# KiCad board fuyu.kicad_pcb
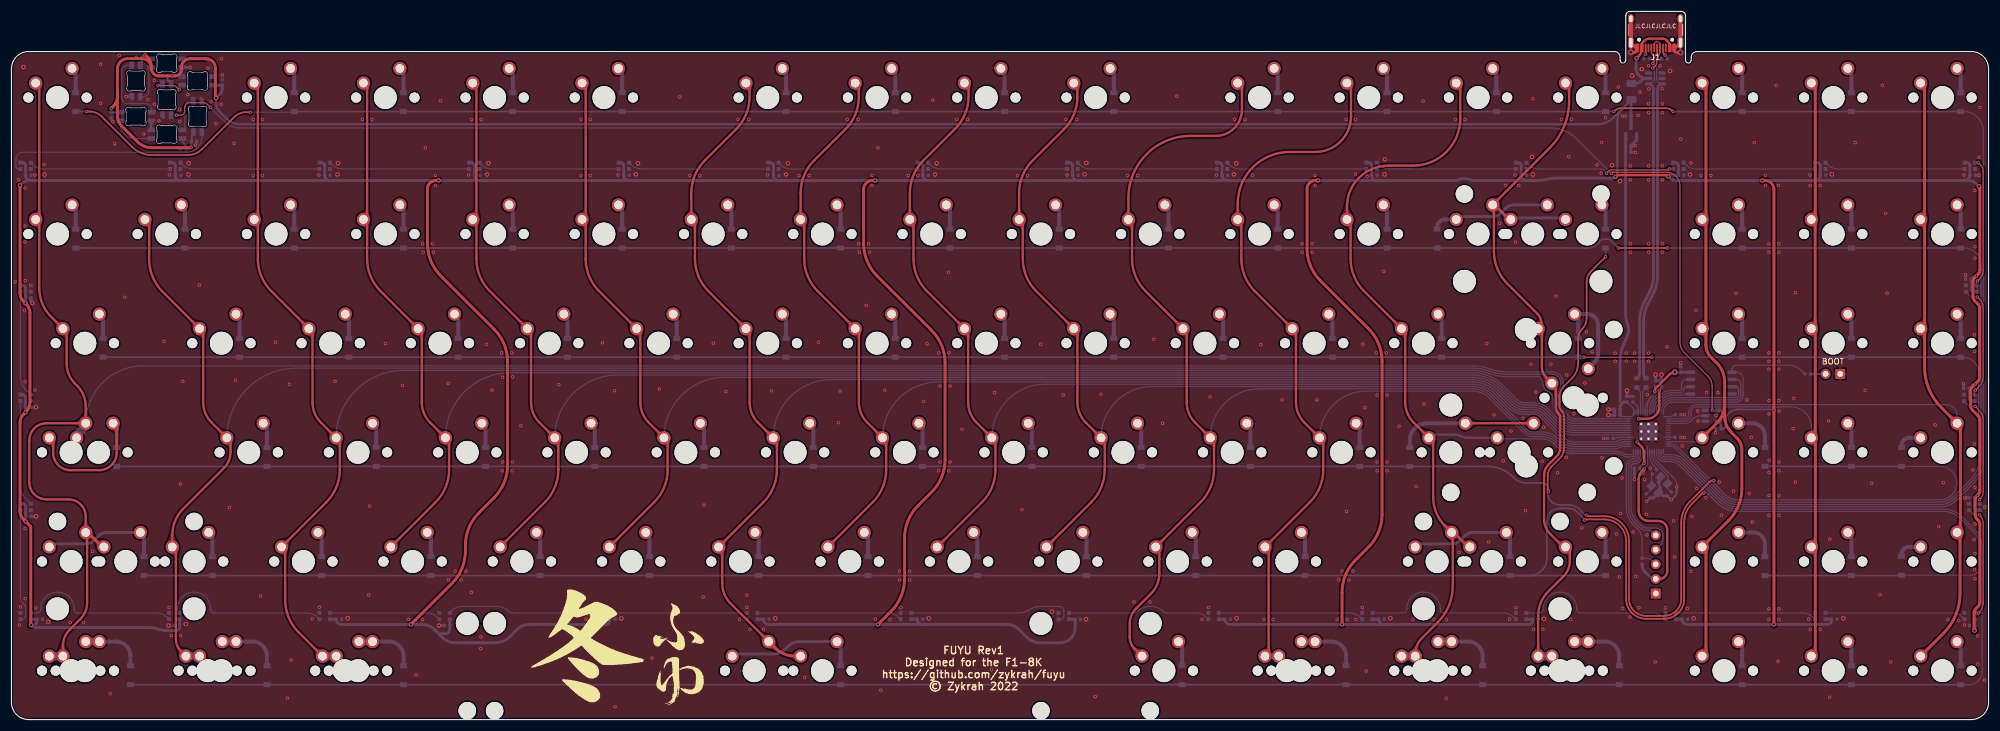
[diagram p0: board, top side]
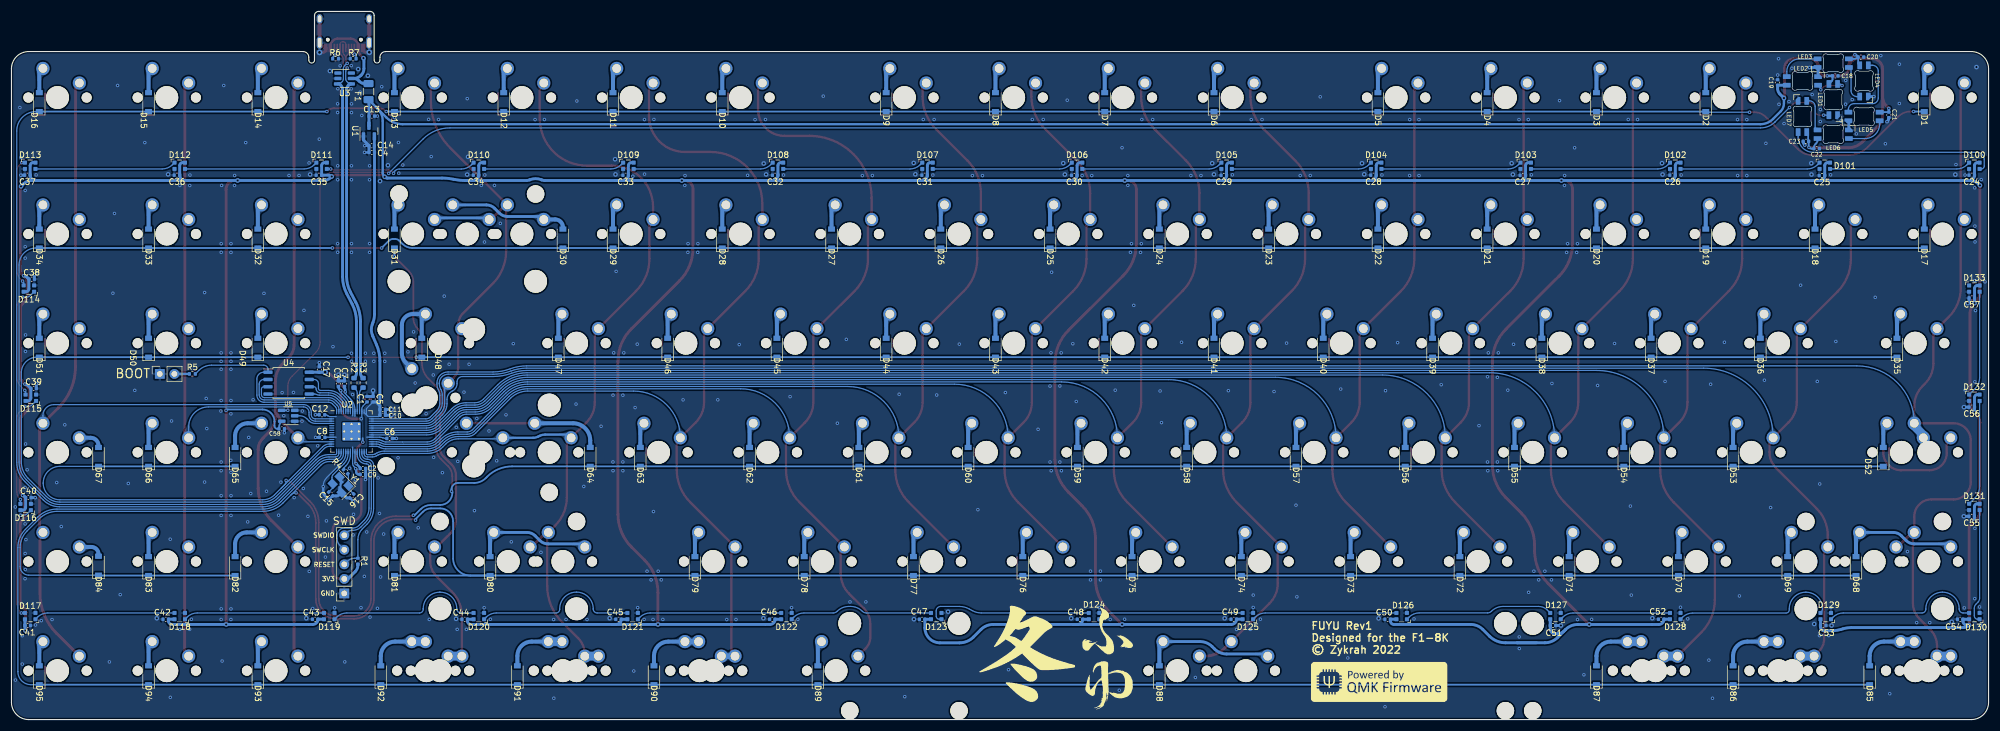
[diagram p1: board, bottom side, seen from below]

Outline 344.66 x 123.56 mm; copper layers: Top, Bottom. Coordinates in mm from the lower left corner of the outline.
Outline path: 0,113.56 0,3 arc(0.88,0.88) 3,0 341.66,0 arc(343.78,0.88) 344.66,3 344.66,113.56 arc(343.78,115.68) 341.66,116.56 293.83,116.56 arc(293.12,116.27) 292.83,115.56 292.83,115.06 arc(292.33,114.56) 291.83,115.06 291.83,122.86 arc(291.63,123.36) 291.13,123.56 282.13,123.56 arc(281.64,123.36) 281.43,122.86 281.43,115.06 arc(280.93,114.56) 280.43,115.06 280.43,115.56 arc(280.14,116.27) 279.43,116.56 3,116.56 arc(0.88,115.68) 0,113.56
Stack: Top 0.035mm / dielectric 1.51mm FR4 er 4.5 / Bottom 0.035mm

## Placement (name value [footprint] x y rotation side)
C1  1uF  [C_0402_1005Metric]  282.67 55.9 90 bottom
C2  100nF  [C_0402_1005Metric]  283.4 43.8 180 bottom
C3  100nF  [C_0402_1005Metric]  287.67 58.62 90 bottom
C4  10uF  [C_0402_1005Metric]  281.86 98.97 0 bottom
C5  1uF  [C_0402_1005Metric]  281.62 55.9 90 bottom
C6  100nF  [C_0402_1005Metric]  278.75 49.06 180 bottom
C7  100nF  [C_0402_1005Metric]  286.62 58.62 90 bottom
C8  100nF  [C_0402_1005Metric]  290.5 49.24 0 bottom
C9  100nF  [C_0402_1005Metric]  283.4 42.78 180 bottom
C10  100nF  [C_0402_1005Metric]  279.95 53.11 180 bottom
C11  100nF  [C_0402_1005Metric]  279.95 54.1 180 bottom
C12  100nF  [C_0402_1005Metric]  290.54 53.18 0 bottom
C13  1uF  [C_0402_1005Metric]  281.86 105.31 0 bottom
C14  1uF  [C_0402_1005Metric]  281.88 100.12 180 bottom
C15  22pF  [C_0402_1005Metric]  289.01 39.36 45 bottom
C16  22pF  [C_0402_1005Metric]  285.34 39.02 135 bottom
C17  100nF  [C_0402_1005Metric]  291 61.09 90 bottom
C18  100nF  [C_0402_1005Metric]  26.72 112.32 180 bottom
C19  100nF  [C_0402_1005Metric]  36.77 111.17 90 bottom
C20  100nF  [C_0402_1005Metric]  22.25 115.6 180 bottom
C21  100nF  [C_0402_1005Metric]  17.38 105.52 270 bottom
C22  100nF  [C_0402_1005Metric]  29.97 99.63 180 bottom
C23  100nF  [C_0402_1005Metric]  31.84 100.91 0 bottom
C24  100nF  [C_0402_1005Metric]  2.93 95 0 bottom
C25  100nF  [C_0402_1005Metric]  29.03 94.93 0 bottom
C26  100nF  [C_0402_1005Metric]  55.09 95 0 bottom
C27  100nF  [C_0402_1005Metric]  81.19 94.97 0 bottom
C28  100nF  [C_0402_1005Metric]  107.23 95 0 bottom
C29  100nF  [C_0402_1005Metric]  133.31 94.97 0 bottom
C30  100nF  [C_0402_1005Metric]  159.38 94.97 0 bottom
C31  100nF  [C_0402_1005Metric]  185.48 95 0 bottom
C32  100nF  [C_0402_1005Metric]  211.52 94.99 0 bottom
C33  100nF  [C_0402_1005Metric]  237.6 94.99 0 bottom
C34  100nF  [C_0402_1005Metric]  263.68 95 0 bottom
C35  100nF  [C_0402_1005Metric]  291.07 95 0 bottom
C36  100nF  [C_0402_1005Metric]  315.81 95 0 bottom
C37  100nF  [C_0402_1005Metric]  341.88 95 0 bottom
C38  100nF  [C_0402_1005Metric]  341.15 76.85 180 bottom
C39  100nF  [C_0402_1005Metric]  340.81 57.78 180 bottom
C40  100nF  [C_0402_1005Metric]  341.72 38.73 180 bottom
C41  100nF  [C_0402_1005Metric]  341.84 16.42 180 bottom
C42  100nF  [C_0402_1005Metric]  317.78 17.5 0 bottom
C43  100nF  [C_0402_1005Metric]  291.72 17.5 0 bottom
C44  100nF  [C_0402_1005Metric]  265.66 17.5 0 bottom
C45  100nF  [C_0402_1005Metric]  238.84 17.5 0 bottom
C46  100nF  [C_0402_1005Metric]  212.01 17.5 0 bottom
C47  100nF  [C_0402_1005Metric]  185.91 17.5 0 bottom
C48  100nF  [C_0402_1005Metric]  158.38 17.5 0 bottom
C49  100nF  [C_0402_1005Metric]  131.58 17.5 0 bottom
C50  100nF  [C_0402_1005Metric]  104.76 17.5 0 bottom
C51  100nF  [C_0402_1005Metric]  75.92 16.42 180 bottom
C52  100nF  [C_0402_1005Metric]  57.06 17.5 0 bottom
C53  100nF  [C_0402_1005Metric]  28.81 16.42 180 bottom
C54  100nF  [C_0402_1005Metric]  4.94 17.5 0 bottom
C55  100nF  [C_0402_1005Metric]  2.95 35.47 0 bottom
C56  100nF  [C_0402_1005Metric]  2.93 54.52 0 bottom
C57  100nF  [C_0402_1005Metric]  2.92 73.57 0 bottom
C58  100nF  [C_0402_1005Metric]  297.56 50.73 180 bottom
D1  D  [D_SOD-123]  11.2 107.74 90 bottom
D2  D  [D_SOD-123]  49.3 107.74 90 bottom
D3  D  [D_SOD-123]  68.35 107.74 90 bottom
D4  D  [D_SOD-123]  87.4 107.74 90 bottom
D5  D  [D_SOD-123]  106.45 107.74 90 bottom
D6  D  [D_SOD-123]  135.02 107.74 90 bottom
D7  D  [D_SOD-123]  154.07 107.74 90 bottom
D8  D  [D_SOD-123]  173.12 107.74 90 bottom
D9  D  [D_SOD-123]  192.18 107.74 90 bottom
D10  D  [D_SOD-123]  220.75 107.74 90 bottom
D11  D  [D_SOD-123]  239.8 107.74 90 bottom
D12  D  [D_SOD-123]  258.85 107.74 90 bottom
D13  D  [D_SOD-123]  277.9 107.74 90 bottom
D14  D  [D_SOD-123]  301.71 107.74 90 bottom
D15  D  [D_SOD-123]  320.76 107.74 90 bottom
D16  D  [D_SOD-123]  339.81 107.74 90 bottom
D17  D  [D_SOD-123]  11.2 83.93 90 bottom
D18  D  [D_SOD-123]  30.25 83.93 90 bottom
D19  D  [D_SOD-123]  49.3 83.93 90 bottom
D20  D  [D_SOD-123]  68.35 83.93 90 bottom
D21  D  [D_SOD-123]  87.4 83.93 90 bottom
D22  D  [D_SOD-123]  106.45 83.93 90 bottom
D23  D  [D_SOD-123]  125.5 83.93 90 bottom
D24  D  [D_SOD-123]  144.55 83.93 90 bottom
D25  D  [D_SOD-123]  163.6 83.93 90 bottom
D26  D  [D_SOD-123]  182.65 83.93 90 bottom
D27  D  [D_SOD-123]  201.7 83.93 90 bottom
D28  D  [D_SOD-123]  220.75 83.93 90 bottom
D29  D  [D_SOD-123]  239.8 83.93 90 bottom
D30  D  [D_SOD-123]  248.53 83.93 90 bottom
D31  D  [D_SOD-123]  277.9 83.93 90 bottom
D32  D  [D_SOD-123]  301.71 83.93 90 bottom
D33  D  [D_SOD-123]  320.76 83.93 90 bottom
D34  D  [D_SOD-123]  339.81 83.93 90 bottom
D35  D  [D_SOD-123]  15.96 64.88 90 bottom
D36  D  [D_SOD-123]  39.78 64.88 90 bottom
D37  D  [D_SOD-123]  58.83 64.88 90 bottom
D38  D  [D_SOD-123]  77.88 64.88 90 bottom
D39  D  [D_SOD-123]  96.92 64.88 90 bottom
D40  D  [D_SOD-123]  115.98 64.88 90 bottom
D41  D  [D_SOD-123]  135.02 64.88 90 bottom
D42  D  [D_SOD-123]  154.07 64.88 90 bottom
D43  D  [D_SOD-123]  173.12 64.88 90 bottom
D44  D  [D_SOD-123]  192.18 64.88 90 bottom
D45  D  [D_SOD-123]  211.23 64.88 90 bottom
D46  D  [D_SOD-123]  230.28 64.88 90 bottom
D47  D  [D_SOD-123]  249.32 64.88 90 bottom
D48  D  [D_SOD-123]  273.14 64.88 90 bottom
D49  D  [D_SOD-123]  301.71 64.88 90 bottom
D50  D  [D_SOD-123]  320.76 64.88 90 bottom
D51  D  [D_SOD-123]  339.81 64.88 90 bottom
D52  D  [D_SOD-123]  18.34 45.83 90 bottom
D53  D  [D_SOD-123]  44.54 45.83 90 bottom
D54  D  [D_SOD-123]  63.59 45.83 90 bottom
D55  D  [D_SOD-123]  82.64 45.83 90 bottom
D56  D  [D_SOD-123]  101.69 45.83 90 bottom
D57  D  [D_SOD-123]  120.74 45.83 90 bottom
D58  D  [D_SOD-123]  139.79 45.83 90 bottom
D59  D  [D_SOD-123]  158.84 45.83 90 bottom
D60  D  [D_SOD-123]  177.89 45.83 90 bottom
D61  D  [D_SOD-123]  196.94 45.83 90 bottom
D62  D  [D_SOD-123]  215.99 45.83 90 bottom
D63  D  [D_SOD-123]  235.04 45.83 90 bottom
D64  D  [D_SOD-123]  243.77 45.83 90 bottom
D65  D  [D_SOD-123]  305.68 45.83 90 bottom
D66  D  [D_SOD-123]  320.76 45.83 90 bottom
D67  D  [D_SOD-123]  329.49 45.83 90 bottom
D68  D  [D_SOD-123]  23.11 26.78 90 bottom
D69  D  [D_SOD-123]  35.01 26.78 90 bottom
D70  D  [D_SOD-123]  54.06 26.78 90 bottom
D71  D  [D_SOD-123]  73.11 26.78 90 bottom
D72  D  [D_SOD-123]  92.16 26.78 90 bottom
D73  D  [D_SOD-123]  111.21 26.78 90 bottom
D74  D  [D_SOD-123]  130.26 26.78 90 bottom
D75  D  [D_SOD-123]  149.31 26.78 90 bottom
D76  D  [D_SOD-123]  168.36 26.78 90 bottom
D77  D  [D_SOD-123]  187.41 26.78 90 bottom
D78  D  [D_SOD-123]  206.46 26.78 90 bottom
D79  D  [D_SOD-123]  225.51 26.78 90 bottom
D80  D  [D_SOD-123]  261.23 26.78 90 bottom
D81  D  [D_SOD-123]  277.9 26.78 90 bottom
D82  D  [D_SOD-123]  305.68 26.78 90 bottom
D83  D  [D_SOD-123]  320.76 26.78 90 bottom
D84  D  [D_SOD-123]  329.49 26.84 90 bottom
D85  D  [D_SOD-123]  20.73 7.73 90 bottom
D86  D  [D_SOD-123]  44.54 7.73 90 bottom
D87  D  [D_SOD-123]  68.35 7.73 90 bottom
D88  D  [D_SOD-123]  144.55 7.73 90 bottom
D89  D  [D_SOD-123]  204.08 7.73 90 bottom
D90  D  [D_SOD-123]  232.66 7.73 90 bottom
D91  D  [D_SOD-123]  256.47 7.73 90 bottom
D92  D  [D_SOD-123]  280.28 7.73 90 bottom
D93  D  [D_SOD-123]  301.71 7.73 90 bottom
D94  D  [D_SOD-123]  320.76 7.73 90 bottom
D95  D  [D_SOD-123]  339.81 7.73 90 bottom
D100  WS2812_2020  [LED_WS2812_2020]  2.47 96.63 180 bottom
D101  WS2812_2020  [LED_WS2812_2020]  28.54 96.63 180 bottom
D102  WS2812_2020  [LED_WS2812_2020]  54.61 96.63 180 bottom
D103  WS2812_2020  [LED_WS2812_2020]  80.68 96.63 180 bottom
D104  WS2812_2020  [LED_WS2812_2020]  106.76 96.63 180 bottom
D105  WS2812_2020  [LED_WS2812_2020]  132.83 96.63 180 bottom
D106  WS2812_2020  [LED_WS2812_2020]  158.9 96.63 180 bottom
D107  WS2812_2020  [LED_WS2812_2020]  184.97 96.63 180 bottom
D108  WS2812_2020  [LED_WS2812_2020]  211.04 96.63 180 bottom
D109  WS2812_2020  [LED_WS2812_2020]  237.11 96.63 180 bottom
D110  WS2812_2020  [LED_WS2812_2020]  263.19 96.63 180 bottom
D111  WS2812_2020  [LED_WS2812_2020]  290.6 96.63 180 bottom
D112  WS2812_2020  [LED_WS2812_2020]  315.33 96.63 180 bottom
D113  WS2812_2020  [LED_WS2812_2020]  341.4 96.63 180 bottom
D114  WS2812_2020  [LED_WS2812_2020]  341.62 75.21 0 bottom
D115  WS2812_2020  [LED_WS2812_2020]  341.29 56.15 0 bottom
D116  WS2812_2020  [LED_WS2812_2020]  342.19 37.09 0 bottom
D117  WS2812_2020  [LED_WS2812_2020]  341.4 18.05 0 bottom
D118  WS2812_2020  [LED_WS2812_2020]  315.33 18.05 0 bottom
D119  WS2812_2020  [LED_WS2812_2020]  289.26 18.05 0 bottom
D120  WS2812_2020  [LED_WS2812_2020]  263.19 18.05 0 bottom
D121  WS2812_2020  [LED_WS2812_2020]  236.37 18.05 0 bottom
D122  WS2812_2020  [LED_WS2812_2020]  209.56 18.05 0 bottom
D123  WS2812_2020  [LED_WS2812_2020]  183.44 18.05 0 bottom
D124  WS2812_2020  [LED_WS2812_2020]  155.93 18.05 0 bottom
D125  WS2812_2020  [LED_WS2812_2020]  129.12 18.05 0 bottom
D126  WS2812_2020  [LED_WS2812_2020]  102.31 18.05 0 bottom
D127  WS2812_2020  [LED_WS2812_2020]  75.49 18.05 0 bottom
D128  WS2812_2020  [LED_WS2812_2020]  54.61 18.05 0 bottom
D129  WS2812_2020  [LED_WS2812_2020]  28.38 18.05 0 bottom
D130  WS2812_2020  [LED_WS2812_2020]  2.47 18.05 0 bottom
D131  WS2812_2020  [LED_WS2812_2020]  2.47 37.1 180 bottom
D132  WS2812_2020  [LED_WS2812_2020]  2.47 56.15 180 bottom
D133  WS2812_2020  [LED_WS2812_2020]  2.47 75.2 180 bottom
F1  500mA  [Fuse_1206_3216Metric]  282.42 109.58 270 bottom
G***  -  [LOGO]  100.41 12.96 0 top
G***#2  -  [LOGO]  116.08 11.57 0 top
G***#3  -  [LOGO]  106.23 6.57 180 bottom
G***#4  -  [LOGO]  153.79 10.84 180 bottom
G***#5  -  [LOGO]  167.58 11.55 180 bottom
J1  USB_C  [USB_C_Receptacle_HRO_TYPE-C-31-M-12]  286.63 121.24 180 top
J2  SWD  [PinSocket_1x05_P2.54mm_Vertical]  286.65 22 0 bottom
LED1  SK6812MINI-E  [LED_6028R]  27.08 108.19 90 bottom
LED2  SK6812MINI-E  [LED_6028R]  32.44 111.44 0 bottom
LED3  SK6812MINI-E  [LED_6028R]  27.08 114.54 180 bottom
LED4  SK6812MINI-E  [LED_6028R]  21.71 111.44 90 bottom
LED5  SK6812MINI-E  [LED_6028R]  21.71 105.24 180 bottom
LED6  SK6812MINI-E  [LED_6028R]  27.08 102.14 0 bottom
LED7  SK6812MINI-E  [LED_6028R]  32.44 105.24 270 bottom
R1  10k  [R_0402_1005Metric]  284.27 27.63 90 bottom
R2  27R  [R_0603_1608Metric]  284.95 58.75 270 bottom
R3  27R  [R_0603_1608Metric]  283.36 58.75 270 bottom
R4  1k  [R_0402_1005Metric]  286.4 43.26 45 bottom
R5  1k  [R_0402_1005Metric]  313.13 60.31 180 bottom
R6  5.1k  [R_0402_1005Metric]  288.17 115.32 180 bottom
R7  5.1k  [R_0402_1005Metric]  285.1 115.32 0 bottom
S1  BACKSPACE  [STAB_MX_2u]  265.2 84.73 0 top
S2  ISO_ENTER  [STAB_MX_ISO_FLIPPED]  272.34 56.15 0 top
S3  ANSI_ENTER  [STAB_MX_2.25u]  262.82 46.62 180 top
S4  LSHIFT  [STAB_MX_2.25u]  19.93 27.58 180 bottom
S5  RSHIFT  [STAB_MX_2.75u]  258.06 27.58 0 top
S6  6.25U_SPACE  [STAB_MX_6.25u]  129.47 8.53 180 top
S7  7U_SPACE  [STAB_MX_7u]  141.38 8.53 180 top
SW0  Boot  [PinSocket_1x02_P2.54mm_Vertical]  318.81 60.31 90 bottom
SW1  ?  [SW_MX_1u]  8.03 108.54 0 top
SW2  ?  [SW_MX_1u]  46.12 108.54 0 top
SW3  ?  [SW_MX_1u]  65.17 108.54 0 top
SW4  ?  [SW_MX_1u]  84.23 108.54 0 top
SW5  ?  [SW_MX_1u]  103.27 108.54 0 top
SW6  ?  [SW_MX_1u]  131.85 108.54 0 top
SW7  ?  [SW_MX_1u]  150.9 108.54 0 top
SW8  ?  [SW_MX_1u]  169.95 108.54 0 top
SW9  ?  [SW_MX_1u]  189 108.54 0 top
SW10  ?  [SW_MX_1u]  217.57 108.54 0 top
SW11  ?  [SW_MX_1u]  236.62 108.54 0 top
SW12  ?  [SW_MX_1u]  255.68 108.54 0 top
SW13  ?  [SW_MX_1u]  274.73 108.54 0 top
SW14  ?  [SW_MX_1u]  298.54 108.54 0 top
SW15  ?  [SW_MX_1u]  317.59 108.54 0 top
SW16  ?  [SW_MX_1u]  336.64 108.54 0 top
SW17  ?  [SW_MX_1u]  8.03 84.73 0 top
SW18  ?  [SW_MX_1u]  27.08 84.73 0 top
SW19  ?  [SW_MX_1u]  46.12 84.73 0 top
SW20  ?  [SW_MX_1u]  65.17 84.73 0 top
SW21  ?  [SW_MX_1u]  84.23 84.73 0 top
SW22  ?  [SW_MX_1u]  103.27 84.73 0 top
SW23  ?  [SW_MX_1u]  122.33 84.73 0 top
SW24  ?  [SW_MX_1u]  141.38 84.73 0 top
SW25  ?  [SW_MX_1u]  160.43 84.73 0 top
SW26  ?  [SW_MX_1u]  179.48 84.73 0 top
SW27  ?  [SW_MX_1u]  198.52 84.73 0 top
SW28  ?  [SW_MX_1u]  217.57 84.73 0 top
SW29  ?  [SW_MX_1u]  236.62 84.73 0 top
SW30  ?  [SW_MX_1u]  255.68 84.73 0 top
SW31  ?  [SW_MX_1u]  265.2 84.73 0 top
SW32  ?  [SW_MX_1u]  274.73 84.73 0 top
SW33  ?  [SW_MX_1u]  298.54 84.73 0 top
SW34  ?  [SW_MX_1u]  317.59 84.73 0 top
SW35  ?  [SW_MX_1u]  336.64 84.73 0 top
SW36  ?  [SW_MX_1.5u]  12.79 65.67 0 top
SW37  ?  [SW_MX_1u]  36.6 65.67 0 top
SW38  ?  [SW_MX_1u]  55.65 65.67 0 top
SW39  ?  [SW_MX_1u]  74.7 65.67 0 top
SW40  ?  [SW_MX_1u]  93.75 65.67 0 top
SW41  ?  [SW_MX_1u]  112.8 65.67 0 top
SW42  ?  [SW_MX_1u]  131.85 65.67 0 top
SW43  ?  [SW_MX_1u]  150.9 65.67 0 top
SW44  ?  [SW_MX_1u]  169.95 65.67 0 top
SW45  ?  [SW_MX_1u]  189 65.67 0 top
SW46  ?  [SW_MX_1u]  208.05 65.67 0 top
SW47  ?  [SW_MX_1u]  227.1 65.67 0 top
SW48  ?  [SW_MX_1u]  246.15 65.67 0 top
SW49  ?  [SW_MX_1.5u]  269.96 65.67 0 top
SW50  ?  [SW_MX_1u]  272.34 56.15 0 top
SW51  ?  [SW_MX_1u]  298.54 65.67 0 top
SW52  ?  [SW_MX_1u]  317.59 65.67 0 top
SW53  ?  [SW_MX_1u]  336.64 65.67 0 top
SW54  ?  [SW_MX_1.75u_stp]  10.41 46.62 0 top
SW55  ?  [SW_MX_1.75u]  15.17 46.62 0 top
SW56  ?  [SW_MX_1u]  41.36 46.62 0 top
SW57  ?  [SW_MX_1u]  60.41 46.62 0 top
SW58  ?  [SW_MX_1u]  79.46 46.62 0 top
SW59  ?  [SW_MX_1u]  98.51 46.62 0 top
SW60  ?  [SW_MX_1u]  117.56 46.62 0 top
SW61  ?  [SW_MX_1u]  136.61 46.62 0 top
SW62  ?  [SW_MX_1u]  155.66 46.62 0 top
SW63  ?  [SW_MX_1u]  174.71 46.62 0 top
SW64  ?  [SW_MX_1u]  193.76 46.62 0 top
SW65  ?  [SW_MX_1u]  212.81 46.62 0 top
SW66  ?  [SW_MX_1u]  231.86 46.62 0 top
SW67  ?  [SW_MX_1u]  250.91 46.62 0 top
SW68  ?  [SW_MX_1u]  262.82 46.62 0 top
SW69  ?  [SW_MX_1u]  298.54 46.62 0 top
SW70  ?  [SW_MX_1u]  317.59 46.62 0 top
SW71  ?  [SW_MX_1u]  336.64 46.62 0 top
SW72  ?  [SW_MX_1.25u]  10.41 27.58 0 top
SW73  ?  [SW_MX_1u]  19.93 27.58 0 top
SW74  ?  [SW_MX_1u]  31.84 27.58 0 top
SW75  ?  [SW_MX_1u]  50.89 27.58 0 top
SW76  ?  [SW_MX_1u]  69.94 27.58 0 top
SW77  ?  [SW_MX_1u]  88.99 27.58 0 top
SW78  ?  [SW_MX_1u]  108.04 27.58 0 top
SW79  ?  [SW_MX_1u]  127.09 27.58 0 top
SW80  ?  [SW_MX_1u]  146.14 27.58 0 top
SW81  ?  [SW_MX_1u]  165.19 27.58 0 top
SW82  ?  [SW_MX_1u]  184.24 27.58 0 top
SW83  ?  [SW_MX_1u]  203.29 27.58 0 top
SW84  ?  [SW_MX_1u]  222.34 27.58 0 top
SW85  ?  [SW_MX_1.75u]  248.53 27.58 0 top
SW86  ?  [SW_MX_1u]  258.06 27.58 0 top
SW87  ?  [SW_MX_1u]  274.73 27.58 0 top
SW88  ?  [SW_MX_1u]  298.54 27.58 0 top
SW89  ?  [SW_MX_1u]  317.59 27.58 0 top
SW90  ?  [SW_MX_1u]  336.64 27.58 0 top
SW91  ?  [SW_MX_1.25u]  10.41 8.53 0 top
SW92  ?  [SW_MX_1.5u]  12.79 8.53 0 top
SW93  ?  [SW_MX_1.25u]  34.22 8.53 0 top
SW94  ?  [SW_MX_1u]  36.6 8.53 0 top
SW95  ?  [SW_MX_1.25u]  58.03 8.53 0 top
SW96  ?  [SW_MX_1.5u]  60.41 8.53 0 top
SW97  ?  [SW_MX_1u]  129.47 8.53 0 top
SW98  ?  [SW_MX_1u]  141.38 8.53 0 top
SW99  ?  [SW_MX_1.25u]  200.91 8.53 0 top
SW100  ?  [SW_MX_1.5u]  222.34 8.53 0 top
SW101  ?  [SW_MX_1.25u]  224.72 8.53 0 top
SW102  ?  [SW_MX_1u]  246.15 8.53 0 top
SW103  ?  [SW_MX_1.25u]  248.53 8.53 0 top
SW104  ?  [SW_MX_1.5u]  269.96 8.53 0 top
SW105  ?  [SW_MX_1.25u]  272.34 8.53 0 top
SW106  ?  [SW_MX_1u]  298.54 8.53 0 top
SW107  ?  [SW_MX_1u]  317.59 8.53 0 top
SW108  ?  [SW_MX_1u]  336.64 8.53 0 top
U1  XC6206  [SOT-23]  282.35 102.7 90 bottom
U2  RP2040  [RP2040-QFN-56]  285.38 50.27 180 bottom
U3  SRV05-4  [SOT-23-6-routable]  286.58 111.87 180 bottom
U4  W25Q128JVS  [SOIC-8_5.23x5.23mm_P1.27mm]  296.35 58.71 180 bottom
U5  74AHCT1G125  [SOT-23-5]  296.42 53.01 0 bottom
Y1  12MHz  [Crystal_SMD_3225-4Pin_3.2x2.5mm]  287.29 40.96 45 bottom

## Library data of the parts
C1 C5 C13 C14 = -: LCSC: C52923
C2 C3 C6-C12 C17 = -: LCSC: C1525
C4 = -: LCSC: C15525
C15 C16 = -: LCSC: C1555
F1 = -: LCSC: C70076
LED1-LED7 = -: Field4: 1
R1 = -: LCSC: C25744
R2 R3 = -: LCSC: C25190
R4 R5 = -: LCSC: C11702
R6 R7 = -: LCSC: C25905
Y1 = -: LCSC: C9002

## Footprints (pads in the part's own frame, mm; a bottom-side part is the same pattern mirrored in y, then rotated)
C_0402_1005Metric
  rrect 0.56x0.62 smd: 1(-0.48,0) 2(0.48,0)
Crystal_SMD_3225-4Pin_3.2x2.5mm
  rect 1.4x1.2 smd: 1(-1.1,-0.85) 2(1.1,-0.85) 3(1.1,0.85) 4(-1.1,0.85)
D_SOD-123
  rect 0.9x1.2 smd: 1(-1.65,0) 2(1.65,0)
Fuse_1206_3216Metric
  rrect 1.25x1.75 smd: 1(-1.4,0) 2(1.4,0)
LED_6028R
  rrect 1.35x0.82 smd: 1(2.725,0.75) 2(2.725,-0.75) 3(-2.725,0.75) 4(-2.725,-0.75)
LED_WS2812_2020
  rrect 0.7x0.7 smd: 1(-0.915,0.55) 2(-0.915,-0.55) 3(0.915,-0.55) 4(0.915,0.55)
PinSocket_1x02_P2.54mm_Vertical
  rect 1.7x1.7 hole 1: 1(0,0)
  oval 1.7x1.7 hole 1: 2(0,-2.54)
PinSocket_1x05_P2.54mm_Vertical
  rect 1.7x1.7 hole 1: 1(0,0)
  oval 1.7x1.7 hole 1: 2(0,-2.54) 3(0,-5.08) 4(0,-7.62) 5(0,-10.16)
R_0402_1005Metric
  rrect 0.54x0.64 smd: 1(-0.51,0) 2(0.51,0)
R_0603_1608Metric
  rrect 0.8x0.95 smd: 1(-0.825,0) 2(0.825,0)
RP2040-QFN-56
  rrect 1.084x1.084 smd: (-0.637,-0.637) (-0.637,0.637) (0.637,-0.637) (0.637,0.637)
  rrect 0.875x0.2 smd: 1(-3.438,2.6) 2(-3.438,2.2) 3(-3.438,1.8) 4(-3.438,1.4) 5(-3.438,1) 6(-3.438,0.6) 7(-3.438,0.2) 8(-3.438,-0.2) 9(-3.438,-0.6) 10(-3.438,-1) 11(-3.438,-1.4) 12(-3.438,-1.8) 13(-3.438,-2.2) 14(-3.438,-2.6) 29(3.438,-2.6) 30(3.438,-2.2) 31(3.438,-1.8) 32(3.438,-1.4) 33(3.438,-1) 34(3.438,-0.6) 35(3.438,-0.2) 36(3.438,0.2) 37(3.438,0.6) 38(3.438,1) 39(3.438,1.4) 40(3.438,1.8) 41(3.438,2.2) 42(3.438,2.6)
  rrect 0.2x0.875 smd: 15(-2.6,-3.438) 16(-2.2,-3.438) 17(-1.8,-3.438) 18(-1.4,-3.438) 19(-1,-3.438) 20(-0.6,-3.438) 21(-0.2,-3.438) 22(0.2,-3.438) 23(0.6,-3.438) 24(1,-3.438) 25(1.4,-3.438) 26(1.8,-3.438) 27(2.2,-3.438) 28(2.6,-3.438) 43(2.6,3.438) 44(2.2,3.438) 45(1.8,3.438) 46(1.4,3.438) 47(1,3.438) 48(0.6,3.438) 49(0.2,3.438) 50(-0.2,3.438) 51(-0.6,3.438) 52(-1,3.438) 53(-1.4,3.438) 54(-1.8,3.438) 55(-2.2,3.438) 56(-2.6,3.438)
  round 0.6 hole 0.35: 57(-1.275,-1.275) 57(-1.275,0) 57(-1.275,1.275) 57(0,-1.275) 57(0,0) 57(0,1.275) 57(1.275,-1.275) 57(1.275,0) 57(1.275,1.275)
  rrect 3.2x3.2 smd: 57(0,0)
SOIC-8_5.23x5.23mm_P1.27mm
  rrect 1.6x0.6 smd: 1(-3.6,1.905) 2(-3.6,0.635) 3(-3.6,-0.635) 4(-3.6,-1.905) 5(3.6,-1.905) 6(3.6,-0.635) 7(3.6,0.635) 8(3.6,1.905)
SOT-23
  rrect 1.475x0.6 smd: 1(-0.938,0.95) 2(-0.938,-0.95) 3(0.938,0)
SOT-23-5
  rrect 1.325x0.6 smd: 1(-1.137,0.95) 2(-1.137,0) 3(-1.137,-0.95) 4(1.137,-0.95) 5(1.137,0.95)
SOT-23-6-routable
  rrect 1.25x0.6 smd: 1(-1.175,0.95) 2(-1.175,0) 3(-1.25,-0.95) 4(1.175,-0.95) 5(1.175,0) 6(1.175,0.95)
STAB_MX_2.25u
  round 3.048 hole 3.048 unplated: (-11.906,6.985) (11.906,6.985)
  round 3.988 hole 3.988 unplated: (-11.906,-8.255) (11.906,-8.255)
STAB_MX_2.75u
  round 3.048 hole 3.048 unplated: (-11.906,6.985) (11.906,6.985)
  round 3.988 hole 3.988 unplated: (-11.906,-8.255) (11.906,-8.255)
STAB_MX_2u
  round 3.048 hole 3.048 unplated: (-11.906,6.985) (11.906,6.985)
  round 3.988 hole 3.988 unplated: (-11.906,-8.255) (11.906,-8.255)
STAB_MX_6.25u
  round 3.048 hole 3.048 unplated: (-50.006,6.985) (50.006,6.985)
  round 3.988 hole 3.988 unplated: (-50.006,-8.255) (50.006,-8.255)
STAB_MX_7u
  round 3.048 hole 3.048 unplated: (-57.15,6.985) (57.15,6.985)
  round 3.988 hole 3.988 unplated: (-57.15,-8.255) (57.15,-8.255)
STAB_MX_ISO_FLIPPED
  round 3.988 hole 3.988 unplated: (-8.255,11.906) (-8.255,-11.906)
  round 3.048 hole 3.048 unplated: (6.985,11.906) (6.985,-11.906)
SW_MX_1.5u
  round 1.75 hole 1.75 unplated: (-5.08,0) (5.08,0)
  round 3.988 hole 3.988 unplated: (0,0)
  round 2.3 hole 1.524: 1(-3.81,2.54) 2(2.54,5.08)
SW_MX_1.25u
  round 1.75 hole 1.75 unplated: (-5.08,0) (5.08,0)
  round 3.988 hole 3.988 unplated: (0,0)
  round 2.3 hole 1.524: 1(-3.81,2.54) 2(2.54,5.08)
SW_MX_1.75u
  round 1.75 hole 1.75 unplated: (-5.08,0) (5.08,0)
  round 3.988 hole 3.988 unplated: (0,0)
  round 2.3 hole 1.524: 1(-3.81,2.54) 2(2.54,5.08)
SW_MX_1.75u_stp
  round 1.75 hole 1.75 unplated: (-5.08,0) (5.08,0)
  round 3.988 hole 3.988 unplated: (0,0)
  round 2.3 hole 1.524: 1(-3.81,2.54) 2(2.54,5.08)
SW_MX_1u
  round 1.75 hole 1.75 unplated: (-5.08,0) (5.08,0)
  round 3.988 hole 3.988 unplated: (0,0)
  round 2.3 hole 1.524: 1(-3.81,2.54) 2(2.54,5.08)
USB_C_Receptacle_HRO_TYPE-C-31-M-12
  round 0.65 hole 0.65 unplated: (-2.89,2.6) (2.89,2.6)
  rect 0.6x1.45 smd: A1(-3.25,4.045) A4(-2.45,4.045) A9(2.45,4.045) A12(3.25,4.045) B1(3.25,4.045) B4(2.45,4.045) B9(-2.45,4.045) B12(-3.25,4.045)
  rect 0.3x1.45 smd: A5(-1.25,4.045) A6(-0.25,4.045) A7(0.25,4.045) A8(1.25,4.045) B5(1.75,4.045) B6(0.75,4.045) B7(-0.75,4.045) B8(-1.75,4.045)
  oval 1x2.1 hole 0.6x1.7: S1(-4.32,3.13) S1(4.32,3.13)
  oval 1x1.6 hole 0.6x1.2: S1(-4.32,-1.05) S1(4.32,-1.05)
